# Altium PCB power-v3.6.PcbDoc (part 1 of 3) (continued)
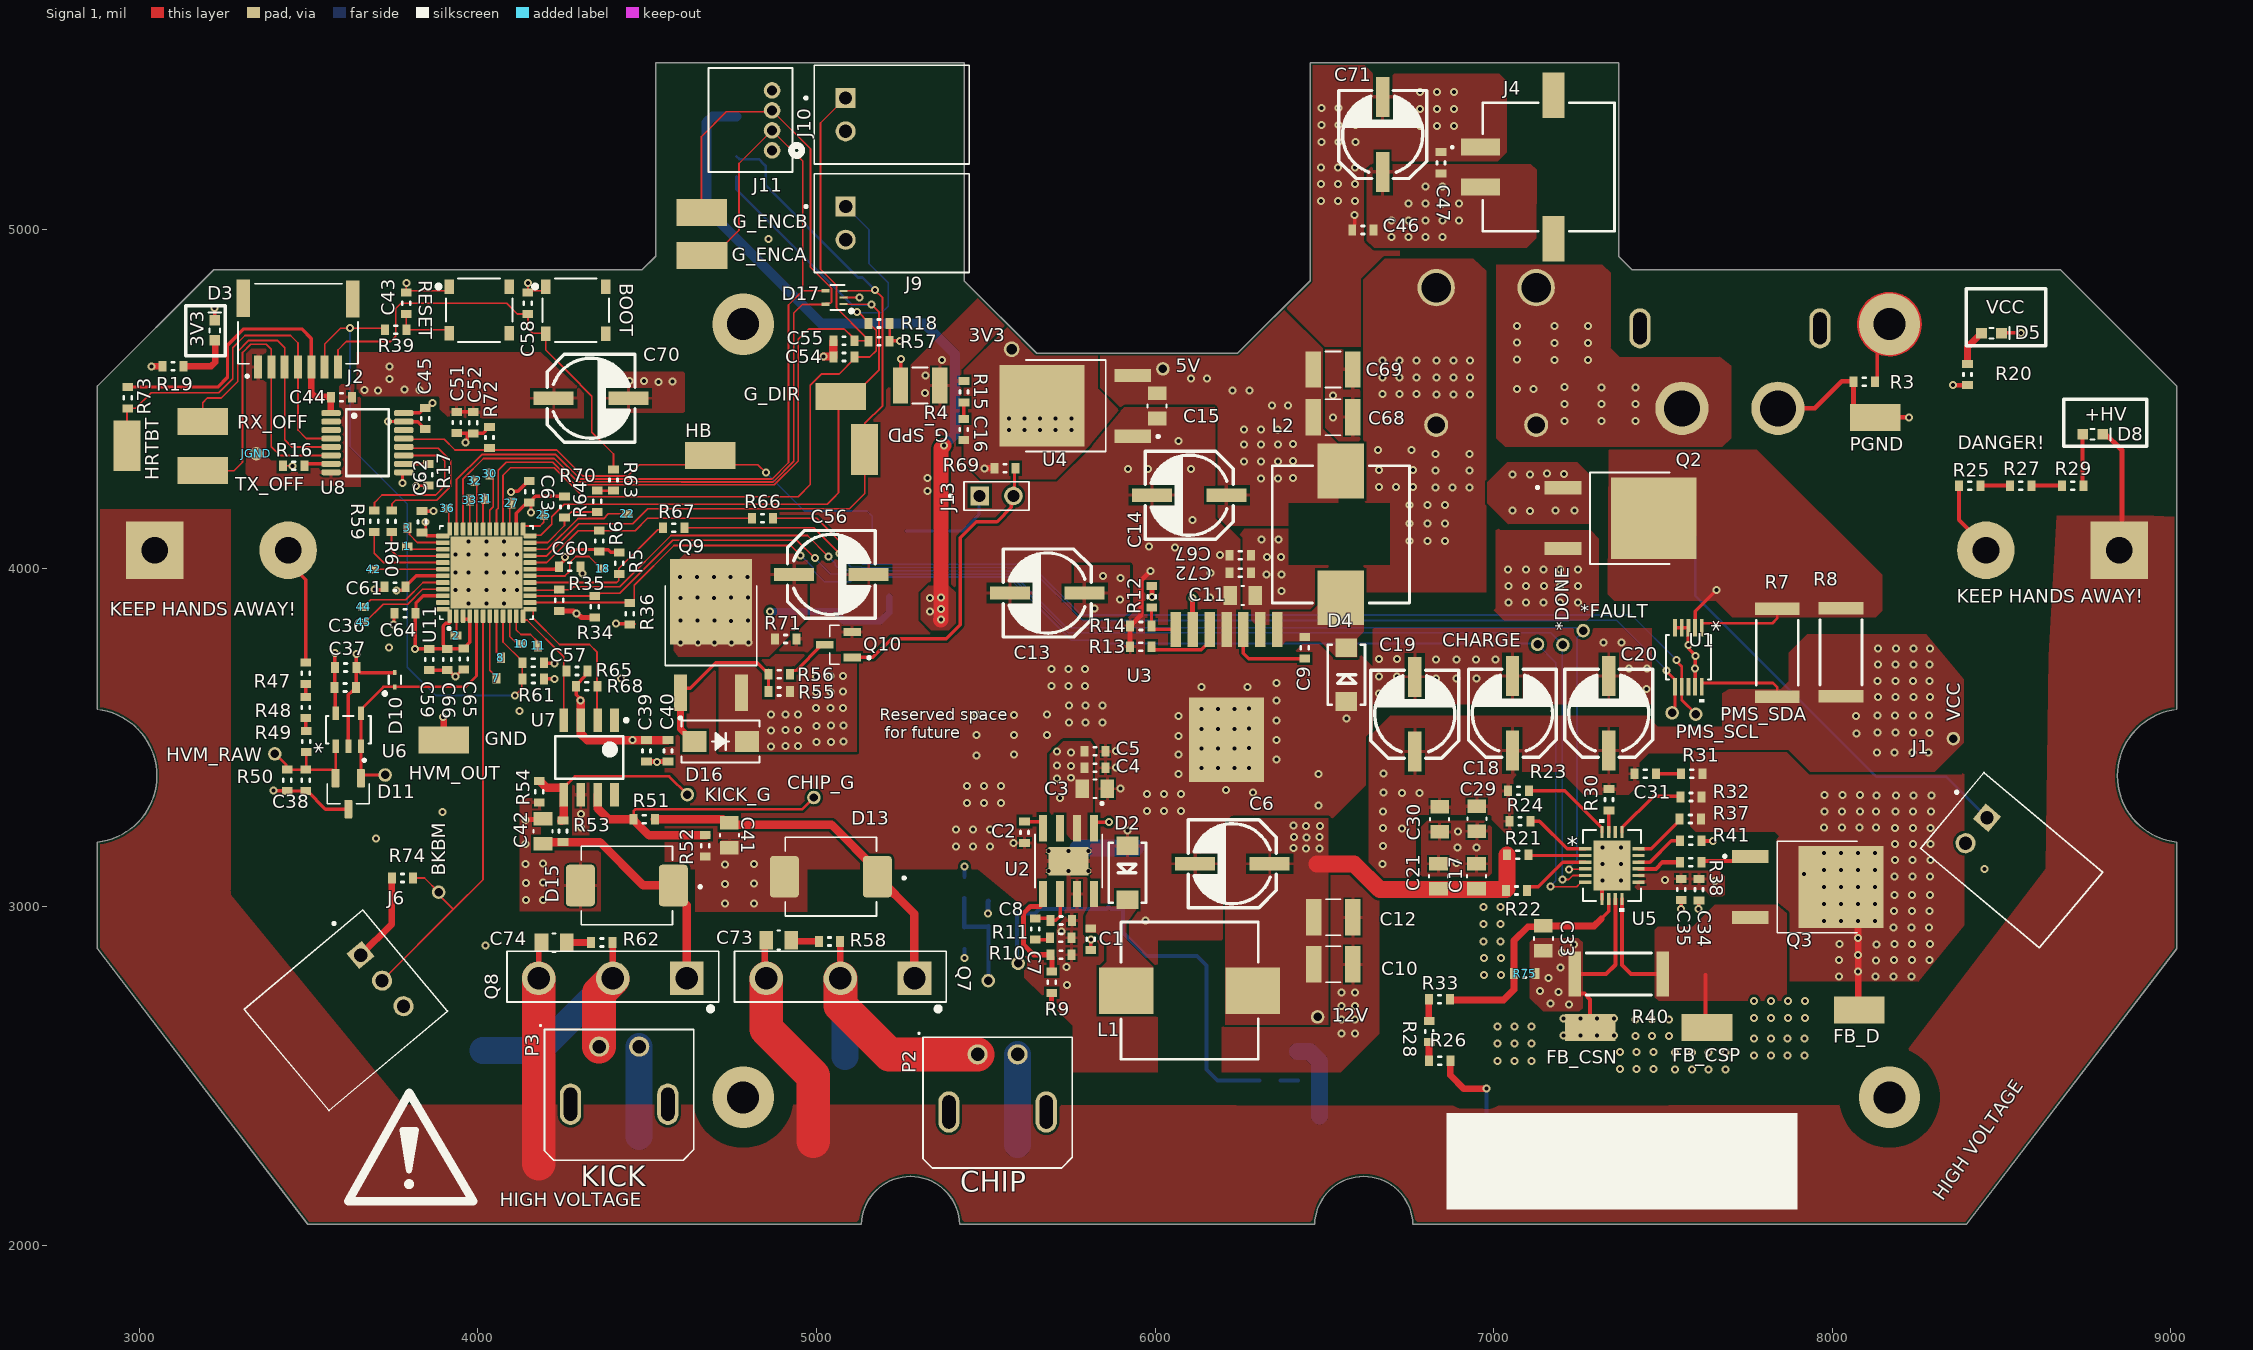
[diagram p0: Signal 1 view]
## Design rules (kind name [scope] priority, off if disabled: settings) (continued)
PolygonConnect VBAT_1 [All vs IsNamedPolygon('+VBAT_L04_P067') Or IsNamedPolygon('NETF1_1_L04_P068')] p21: connectstyle=Direct reliefconductorwidth=10 reliefentries=4 polygonreliefangle="90 Angle" airgapwidth=10
PolygonConnect "3V3 Reg" [All vs IsNamedPolygon('NETC15_1_L01_P064') Or IsNamedPolygon('PGND_L01_P065') Or IsNamedPolygon('3V3_L01_P028') Or IsNamedPolygon('3V3_L01_P312')] p22: connectstyle=Direct reliefconductorwidth=10 reliefentries=4 polygonreliefangle="90 Angle" airgapwidth=10
PolygonConnect "5V Input" [All vs IsNamedPolygon('12V_L01_P059') Or IsNamedPolygon('PGND_L01_P060') Or IsNamedPolygon('NETL2_2_L01_P062') Or IsNamedPolygon('PGND_L01_P063')   or IsNamedPolygon('5V_L01_P298')             or IsNamedPolygon('5V_L01_P311')] p23: connectstyle=Direct reliefconductorwidth=10 reliefentries=4 polygonreliefangle="90 Angle" airgapwidth=10
PolygonConnect "PGND 12V after" [All vs IsNamedPolygon('PGND_L01_P056')] p24: thpad.connectstyle=Direct thpad.reliefconductorwidth=10 thpad.reliefentries=4 thpad.polygonreliefangle="90 Angle" thpad.airgapwidth=10 smdpad.connectstyle=Relief smdpad.reliefconductorwidth=10 smdpad.reliefentries=4 smdpad.polygonreliefangle="90 Angle" smdpad.airgapwidth=10 via.connectstyle=Direct via.reliefconductorwidth=10 via.reliefentries=4 via.polygonreliefangle="90 Angle" via.airgapwidth=10
PolygonConnect "12V Poly" [All vs IsNamedPolygon('12V_L01_P055') Or IsNamedPolygon('NETC1_1_L01_P057') Or IsNamedPolygon('12V_L01_P058')] p25: connectstyle=Direct reliefconductorwidth=10 reliefentries=4 polygonreliefangle="90 Angle" airgapwidth=10
PolygonConnect PolygonConnect_2 [All vs IsNamedPolygon('PGND_L01_P054')] p26: thpad.connectstyle=Direct thpad.reliefconductorwidth=10 thpad.reliefentries=4 thpad.polygonreliefangle="90 Angle" thpad.airgapwidth=10 smdpad.connectstyle=Relief smdpad.reliefconductorwidth=10 smdpad.reliefentries=4 smdpad.polygonreliefangle="90 Angle" smdpad.airgapwidth=10 via.connectstyle=Direct via.reliefconductorwidth=10 via.reliefentries=4 via.polygonreliefangle="90 Angle" via.airgapwidth=10
PolygonConnect 12V_regGND [All vs IsNamedPolygon('PGND_L01_P053') Or IsNamedPolygon('PGND_L01_P052')] p27: connectstyle=Direct reliefconductorwidth=10 reliefentries=4 polygonreliefangle="90 Angle" airgapwidth=10
PolygonConnect "12V Comp GND" [All vs IsNamedPolygon('PGND_L01_P051')] p28: thpad.connectstyle=Direct thpad.reliefconductorwidth=10 thpad.reliefentries=4 thpad.polygonreliefangle="90 Angle" thpad.airgapwidth=10 smdpad.connectstyle=Relief smdpad.reliefconductorwidth=10 smdpad.reliefentries=4 smdpad.polygonreliefangle="90 Angle" smdpad.airgapwidth=10 via.connectstyle=Direct via.reliefconductorwidth=10 via.reliefentries=4 via.polygonreliefangle="90 Angle" via.airgapwidth=10
PolygonConnect "VCC MOS CONN" [All vs IsNamedPolygon('VCC_L01_P049')] p29: connectstyle=Direct reliefconductorwidth=10 reliefentries=4 polygonreliefangle="90 Angle" airgapwidth=10
PolygonConnect "PGND 12V" [All vs IsNamedPolygon('PGND_L01_P048')                  or IsNamedPolygon('PGND_L01_P299')] p30: connectstyle=Direct reliefconductorwidth=10 reliefentries=4 polygonreliefangle="90 Angle" airgapwidth=10
PolygonConnect "VCC Conn n 12V" [All vs IsNamedPolygon('VCC_L01_P046')] p31: thpad.connectstyle=Direct thpad.reliefconductorwidth=10 thpad.reliefentries=4 thpad.polygonreliefangle="90 Angle" thpad.airgapwidth=10 smdpad.connectstyle=Relief smdpad.reliefconductorwidth=10 smdpad.reliefentries=4 smdpad.polygonreliefangle="90 Angle" smdpad.airgapwidth=10 via.connectstyle=Direct via.reliefconductorwidth=10 via.reliefentries=4 via.polygonreliefangle="90 Angle" via.airgapwidth=10
PolygonConnect "3V3 Full" [All vs IsNamedPolygon('3V3_L03_P027')] p32: thpad.connectstyle=Direct thpad.reliefconductorwidth=10 thpad.reliefentries=4 thpad.polygonreliefangle="90 Angle" thpad.airgapwidth=10 smdpad.connectstyle=Relief smdpad.reliefconductorwidth=10 smdpad.reliefentries=4 smdpad.polygonreliefangle="90 Angle" smdpad.airgapwidth=10 via.connectstyle=Direct via.reliefconductorwidth=10 via.reliefentries=4 via.polygonreliefangle="90 Angle" via.airgapwidth=10
PolygonConnect "VCC FULL" [All vs IsNamedPolygon('VCC_L03_P041')] p33: thpad.connectstyle=Direct thpad.reliefconductorwidth=10 thpad.reliefentries=4 thpad.polygonreliefangle="90 Angle" thpad.airgapwidth=10 smdpad.connectstyle=Relief smdpad.reliefconductorwidth=10 smdpad.reliefentries=4 smdpad.polygonreliefangle="90 Angle" smdpad.airgapwidth=10 via.connectstyle=Direct via.reliefconductorwidth=10 via.reliefentries=4 via.polygonreliefangle="90 Angle" via.airgapwidth=10
PolygonConnect "Power Input" [All vs IsNamedPolygon('NETD1_1_L01_P037') Or IsNamedPolygon('NETD1_2_L01_P034') Or IsNamedPolygon('VCC_L01_P042') Or IsNamedPolygon('VCC_RPP_L01_P038') Or IsNamedPolygon('NETD1_1_L04_P035') Or IsNamedPolygon('NETD1_2_L04_P033')] p34: connectstyle=Direct reliefconductorwidth=10 reliefentries=4 polygonreliefangle="90 Angle" airgapwidth=10
PolygonConnect "PGND FULL" [All vs IsNamedPolygon('PGND_L02_P004') or IsNamedPolygon('PGND_L01_PF1')] p35: connectstyle=Direct reliefconductorwidth=10 reliefentries=4 polygonreliefangle="90 Angle" airgapwidth=10
PolygonConnect "HV Bay" [All vs IsNamedPolygon('+HV_L03_P032')] p36: connectstyle=Direct reliefconductorwidth=10 reliefentries=4 polygonreliefangle="90 Angle" airgapwidth=10
PolygonConnect GND_Connect [All vs IsNamedPolygon('GND_L02_P005')      or IsNamedPolygon('GND_L01_P303')    or IsNamedPolygon('PGND_L01_P316')] p37: connectstyle=Direct reliefconductorwidth=10 reliefentries=4 polygonreliefangle="90 Angle" airgapwidth=10
PolygonConnect GND_CONN [All vs IsNamedPolygon('GND_L01_P025') Or IsNamedPolygon('GND_L04_P024')] p38: connectstyle=Direct reliefconductorwidth=10 reliefentries=4 polygonreliefangle="90 Angle" airgapwidth=10
PolygonConnect PolygonConnect_1 [All vs IsNamedPolygon('5V_L03_P022') Or IsNamedPolygon('5V_L04_P023')] p39: connectstyle=Direct reliefconductorwidth=10 reliefentries=4 polygonreliefangle="90 Angle" airgapwidth=10
PolygonConnect VCC_PGND_CONN [All vs IsNamedPolygon('VCC_MOTOR_L01_P018') Or IsNamedPolygon('PGND_L02_P021') Or IsNamedPolygon('PGND_L04_P020') Or IsNamedPolygon('VCC_MOTOR_L04_P019')] p40: connectstyle=Direct reliefconductorwidth=10 reliefentries=4 polygonreliefangle="90 Angle" airgapwidth=10
PolygonConnect BARREL_GND [All vs IsNamedPolygon('GND_L04_P013') Or IsNamedPolygon('GND_L02_P014') Or IsNamedPolygon('GND_L01_P016') Or IsNamedPolygon('GND_L04_P015')] p41: connectstyle=Direct reliefconductorwidth=10 reliefentries=4 polygonreliefangle="90 Angle" airgapwidth=10
PolygonConnect "5V Reg Plane" [All vs IsNamedPolygon('5V_L01_P008') Or IsNamedPolygon('5V_L03_P006') Or IsNamedPolygon('5V_L03_P010') Or IsNamedPolygon('5V_L01_P011')] p42: connectstyle=Direct reliefconductorwidth=10 reliefentries=4 polygonreliefangle="90 Angle" airgapwidth=10
PolygonConnect [All] p43: thpad.connectstyle=Relief thpad.reliefconductorwidth=10 thpad.reliefentries=4 thpad.polygonreliefangle="90 Angle" thpad.airgapwidth=5 smdpad.connectstyle=Relief smdpad.reliefconductorwidth=10 smdpad.reliefentries=4 smdpad.polygonreliefangle="90 Angle" smdpad.airgapwidth=5 via.connectstyle=Direct via.reliefconductorwidth=10 via.reliefentries=4 via.polygonreliefangle="90 Angle" via.airgapwidth=5
RoomDefinition U_power-input [InComponentClass('U_power-input')] p1: confinementstyle=ConfineIn formatcopy=TRUE lockcomponents=FALSE outline 9669.82,5473.98 9868.9,5274.9 9868.9,1637.1 2240.39,1637.1 1914.61,1962.88 1914.61,5908.35
RoomDefinition U_chicker [InComponentClass('U_chicker')] p2: confinementstyle=ConfineIn formatcopy=TRUE lockcomponents=FALSE outline 1711.13,1533.73 10688.92,1533.73 10688.92,5906.94 1711.13,5906.94
RoomDefinition U_geneva-interface [InComponentClass('U_geneva-interface')] p3: confinementstyle=ConfineIn formatcopy=TRUE lockcomponents=FALSE outline 4448.82,4212.6 5472.44,4212.6 5472.44,5708.66 4448.82,5708.66
RoomDefinition U_regulation [InComponentClass('U_regulation')] p4: confinementstyle=ConfineIn formatcopy=TRUE lockcomponents=FALSE outline 10602.64,1435.96 10728.76,1562.07 10728.76,5820.74 1745.77,5820.74 1658.46,5733.43 1687.57,5704.33 1687.57,1338.95
RoomDefinition U_Power-MCU-Breakout [InComponentClass('U_Power-MCU-Breakout')] p5: confinementstyle=ConfineIn formatcopy=TRUE lockcomponents=FALSE outline 2322.83,1882.74 7228.97,1882.74 7228.97,5590.55 2322.83,5590.55
RoomDefinition U_HV-Measurement [InComponentClass('U_HV-Measurement')] p6: confinementstyle=ConfineIn formatcopy=TRUE lockcomponents=FALSE outline 3307.09,3228.35 3858.27,3228.35 3858.27,3740.16 3307.09,3740.16
RoomDefinition U_flyback [InComponentClass('U_flyback')] p7: confinementstyle=ConfineIn formatcopy=TRUE lockcomponents=FALSE outline 2715.75,2138.98 9177.95,2138.98 9177.95,4580.71 2715.75,4580.71
RoomDefinition U_communication [InComponentClass('U_communication')] p8: confinementstyle=ConfineIn formatcopy=TRUE lockcomponents=FALSE outline 2900.79,3322.05 7371.26,3322.05 7371.26,5479.53 2900.79,5479.53
RoomDefinition U_breakbeam-interface [InComponentClass('U_breakbeam-interface')] p9: confinementstyle=ConfineIn formatcopy=TRUE lockcomponents=FALSE outline 2290.17,2322.83 9996.78,2322.83 9996.78,5878.98 2290.17,5878.98
RoomDefinition U_auto-discharge [InComponentClass('U_auto-discharge')] p10: confinementstyle=ConfineIn formatcopy=TRUE lockcomponents=FALSE outline 10180.14,1582 10335.39,1737.26 10335.39,5674.02 2317.7,5674.02 1896.3,5252.62 2095.91,5053.01 2095.91,1404.57
RoutingCorners [All] p1: cornerstyle=Round minsetback=100 maxsetback=100
RoutingVias [All] p1: holewidth=19.68 width=39.37 viastyle="Through Hole" minholewidth=7.87 minwidth=17.72 maxholewidth=39.37 maxwidth=78.74
SilkToSilkClearance [All] p1: silktosilkclearance=3.94
SilkToSolderMaskClearance [IsPad] p1: minsilkscreentomaskgap=3.94 clearancetoexposedcopper=TRUE
SolderMaskExpansion [All] p1: expansion=4 istentingtop=FALSE
Width [All] p1: maxlimit=200 minlimit=3.5 preferedwidth=15 minimp=50.000000 maximp=50.000000 favimp=50.000000
24 further rules are at their usual default settings.

## Classes and differential pairs
net class HighVoltage: +HV NetC73_1 NetC74_1 NetD7_IN NetD8_1 NetD12_2 NetD14_2 NetQ4_D NetR25_1 NetR26_1 NetR27_1 NetR28_1 NetR42_1 NetR47_1 NetR48_1
component class U_regulation: 3V3 5V 12V C1 C2 C3 C4 C5 C6 C7 C8 C9 C10 C11 C12 C13 C14 C15 C16 C67 C68 C69 C72 D2 D3 D4 D5 L1 L2 R9 R10 R11 R12 R13 R14 R15 R19 R20 U2 U3 U4
component class U_Power-MCU-Breakout: 1 2 3 7 8 10 11 18 22 25 27 30 31 32 33 36 42 44 45 BOOT C43 C57 C58 C59 C60 C61 C62 C63 C64 C65 C66 R39 R59 R60 R61 R63 R64 R70 RESET U11
component class U_power-input: D1 F1 GND J1 P1 PGND PMS_SCL PMS_SDA Q1 Q2 R1 R2 R3 R4 R5 R6 R7 R8 R66 R67 U1
component class U_HV-Measurement: C36 C37 C38 D10 D11 HVM_OUT HVM_RAW R47 R48 R49 R50 U6
component class U_geneva-interface: C54 C55 D17 G_DIR G_ENCA G_ENCB G_SPD J8 J9 J10 J11 R18 R57
component class U_flyback: *DONE *FAULT +HV C17 C18 C19 C20 C21 C22 C23 C24 C25 C26 C27 C28 C29 C30 C31 C32 C33 C34 C35 CHARGE D7 D8 FB_CSN FB_CSP FB_D Q3 R21 R22 R23 R24 R25 R26 R27 R28 R29 R30 R31 R32 R33 R34 R35 R36 R37 R38 R40 R41 R75 T1 U5 VCC
component class U_communication: C44 C45 C46 C47 C48 C49 C50 C51 C52 C53 C56 C70 C71 D16 HB HRTBT J2 J4 J5 J13 JGND Q9 Q10 R16 R17 R55 R56 R69 R71 R72 R73 RX_OFF TX_OFF U8 U9
component class U_chicker: C39 C40 C41 C42 C73 C74 CHIP_G D12 D13 D14 D15 KICK_G P2 P3 Q7 Q8 R51 R52 R53 R54 R58 R62 R65 R68 U7
component class U_breakbeam-interface: BKBM J6 R74
component class U_auto-discharge: AD_D AD_VCC D9 Q4 Q5 R42 R43 R44 R45 R46

## Components (designator, comment, footprint, x,y, rotation, side; value= is the part's Value field where it differs from the comment)
1 "Breakout Pin 0603" "BreakoutPin 0603" 3791.78,4064.53 r270 top
2 "Breakout Pin 0603" "BreakoutPin 0603" 3935.35,3801.38 r90 top
3 "Breakout Pin 0603" "BreakoutPin 0603" 3791.78,4120.3 r180 top
3V3 "Test Point (Via)" TP#1 5576.33,4647.42 r90 top
5V "Test Point (Via)" TP#2 6023.31,4589.19 r0 top
7 "Breakout Pin 0603" "BreakoutPin 0603" 4054.82,3674.95 r0 top
8 "Breakout Pin 0603" "BreakoutPin 0603" 4067.64,3735.76 r0 top
10 "Breakout Pin 0603" "BreakoutPin 0603" 4127.73,3776.91 r90 top
11 "Breakout Pin 0603" "BreakoutPin 0603" 4178.14,3770.69 r0 top
12V "Test Point (Via)" TP#2 6480,2675.07 r90 top
18 "Breakout Pin 0603" "BreakoutPin 0603" 4368.12,3998.89 r90 top
22 "Breakout Pin 0603" "BreakoutPin 0603" 4441.61,4160.99 r90 top
25 "Breakout Pin 0603" "BreakoutPin 0603" 4194.84,4158.94 r180 top
27 "Breakout Pin 0603" "BreakoutPin 0603" 4099.31,4192.9 r180 top
30 "Breakout Pin 0603" "BreakoutPin 0603" 4034.95,4278.66 r180 top
31 "Breakout Pin 0603" "BreakoutPin 0603" 4021.65,4205.06 r0 top
32 "Breakout Pin 0603" "BreakoutPin 0603" 3990.01,4258.58 r180 top
33 "Breakout Pin 0603" "BreakoutPin 0603" 3976.69,4201.8 r0 top
36 "Breakout Pin 0603" "BreakoutPin 0603" 3909.52,4177.3 r90 top
42 "Breakout Pin 0603" "BreakoutPin 0603" 3692.35,3996.94 r90 top
44 "Breakout Pin 0603" "BreakoutPin 0603" 3662.65,3886.51 r90 top
45 "Breakout Pin 0603" "BreakoutPin 0603" 3662.65,3840.29 r90 top
*DONE "Test Point (Via)" TP#2 7204.35,3774 r90 top
*FAULT "Test Point (Via)" TP#2 7264.41,3816.07 r90 top
+HV "Test Point - 5019" TP380X203 6101.74,2278.52 r180 bottom
AD_D "Test Point (Via)" TP#2 5595.3,2833.63 r180 bottom
AD_VCC "Test Point (Via)" TP#2 5507.31,2782.35 r180 bottom
BKBM "Test Point (Via)" TP#2 3884.08,3043.62 r180 top
BOOT "TL3315NF100Q" SW_TL3315NF100Q 4289,4762.4 r0 top
C1 "0.10uF 25V" 0603 5810.54,2904.17 r90 top value=0.10uF
C2 "10nF 50V" 0603 5614.38,3220.51 r270 top value=10nF
C3 "10uF" 0805 5822.38,3349.04 r0 top
C4 "0.10uF" 0603 5822.54,3411.13 r180 top
C5 "0.010uF" 0603 5822.54,3459.52 r180 top
C6 "100uF" "CAP POL ALU 6.3x5.8" 6229.07,3127.72 r0 top
C7 "10nF 50V" 0603 5646.35,2934.62 r90 top value=10nF
C8 "6.8pF" 0603 5722.86,2960.12 r180 top
C9 "10nF 50V" 0603 6441.66,3765.03 r90 top value=10nF
C10 "22uF" 1210 6526.24,2830.5 r180 top
C11 "10uF" 0805 6259.3,3919.79 r180 top
C12 "22uF" 1210 6526.42,2969.26 r180 top
C13 "100uF" "CAP POL ALU 6.3x5.8" 5682.26,3927.18 r0 top
C14 "100uF" "CAP POL ALU 6.3x5.8" 6101.6,4216.21 r0 top
C15 "10uF" 0805 6006.26,4479.59 r270 top
C16 "10uF" 0603 5435.37,4410.32 r270 top
C17 "10uF" 0805 6949.4,3090.44 r270 top
C18 "100uF 35V" "CAP POL ALU 6.3x5.8" 7055.59,3571.39 r270 top value=100uF
C19 "100uF 35V" "CAP POL ALU 6.3x5.8" 6767.32,3568.77 r270 top value=100uF
C20 "100uF 35V" "CAP POL ALU 6.3x5.8" 7340.12,3571.39 r270 top value=100uF
C21 "0.10uF" 0805 6837.1,3090.44 r270 top
C22 "1000uF 250V" "RADIAL, CAN - THRU 25.4mm" 3046.06,4053.54 r0 bottom locked
C23 "1000uF 250V" "RADIAL, CAN - THRU 25.4mm" 8847.64,4053.54 r180 bottom locked
C24 "10uF" 0805 6576.51,3380.32 r0 bottom
C25 "10uF" 0805 6576.51,3215.9 r0 bottom
C26 "10uF" 0805 6576.51,3133.69 r0 bottom
C27 "10uF" 0805 6576.51,3051.48 r0 bottom
C28 "10uF" 0805 6576.51,3298.11 r0 bottom
C29 "10uF" 0805 6950.63,3260.57 r90 top
C30 "0.10uF" 0805 6840.62,3258.7 r90 top
C31 "2.2uF" 0603 7447.39,3393.51 r180 top
C32 "0.10uF" 1210 7263.39,2453.36 r90 bottom
C33 "0.10uF 25V" 0805 7146.65,2906.96 r270 top value=0.10uF
C34 "10uF" 0603 7606.56,3051 r270 top
C35 "0.10uF" 0603 7553.89,3051.73 r90 top
C36 "1.0uF" 0603 3609.27,3707.13 r180 top
C37 "0.010uF" 0603 3608.09,3648.08 r0 top
C38 "0.010uF" 0603 3491.87,3374.05 r90 top
C39 "1.0uF" 0603 4497.82,3461.18 r270 top
C40 "0.10uF" 0603 4561.3,3461.27 r270 top
C41 "0.10uF 25V" 0805 4742.61,3211.48 r90 top value=0.10uF
C42 "0.10uF 25V" 0805 4192.12,3223.59 r270 top value=0.10uF
C43 "0.10uF" 0603 3788.47,4782.83 r270 top
C44 "0.10uF" 0603 3596.99,4505.68 r180 top
C45 "0.10uF" 0603 3844.62,4442.52 r90 top
C46 "0.10uF 25V" 0603 6613.88,4999.22 r0 top value=0.10uF
C47 "0.10uF 25V" 0603 6844.37,5197.64 r270 top value=0.10uF
C48 "0.10uF 25V" 0805 4571.87,4389.45 r225 bottom value=0.10uF
C49 "0.10uF 25V" 0603 4523.4,4440.1 r225 bottom value=0.10uF
C50 "0.10uF 25V" 0603 4617.61,4346.98 r225 bottom value=0.10uF
C51 "0.10uF 25V" 0603 3937.13,4430.96 r90 top value=0.10uF
C52 "0.10uF 25V" 0603 3986.33,4430.44 r90 top value=0.10uF
C53 "0.10uF 25V" 0603 5063.45,3904.13 r270 bottom value=0.10uF
C54 "0.10uF" 0603 5081.5,4624.17 r180 top
C55 "0.10uF" 0603 5081.5,4672.13 r180 top
C56 "100uF" "CAP POL ALU 6.3x5.8" 5043.35,3981.93 r180 top
C57 "0.10uF" 0603 4163.67,3720.86 r180 top
C58 "0.10uF" 0603 4147.74,4782.83 r270 top
C59 "4.7uF" 0603 3856.26,3730.83 r90 top
C60 "1.0uF" 0603 4271.66,4005.08 r180 top
C61 "1.0uF" 0603 3754.99,3946.14 r0 top
C62 "1.0uF" 0603 3835.08,4137.23 r270 top
C63 "1.0uF" 0603 4151.95,4226.11 r270 top
C64 "1.0uF" 0603 3784.6,3867.64 r0 top
C65 "1.0uF" 0603 3958.03,3732.34 r90 top
C66 "1.0uF" 0603 3909.65,3730.83 r90 top
C67 "0.010uF" 0603 6251.46,4038.37 r0 top
C68 "22uF" 1210 6525.42,4446.55 r180 top
C69 "22uF" 1210 6525.43,4587.04 r180 top
C70 "100uF" "CAP POL ALU 6.3x5.8" 4333.41,4502.4 r180 top
C71 "100uF" "CAP POL ALU 6.3x5.8" 6672.29,5280.65 r270 top
C72 "0.10uF" 0603 6251.95,3987.4 r0 top
C73 "1500pF" 0805 4888.46,2901.91 r180 top
C74 "1500pF" 0805 4224.86,2894.21 r180 top
CHARGE "Test Point (Via)" TP#2 7129.6,3775.58 r90 top
CHIP_G "Test Point (Via)" TP#2 4992.43,3323.21 r90 top
D1 "SMAZ12-13-F" SMA_DIO-L 7403.18,4130.71 r90 bottom
D2 "40V 5A" DO-214AC 5918.07,3101.02 r270 top
D3 "0603 2V" "0603 - LED" 3222.78,4702.99 r90 top
D4 "40V 5A" DO-214AC 6564.69,3686.07 r90 top
D5 "0603 2V" "0603 - LED" 8470.36,4694.62 r0 top
D7 "VS-5EWH06FN-M3" "DPAK (TO-252)" 6946.43,2321.58 r90 bottom
D8 "0603 2V" "0603 - LED2" 8769.17,4395.94 r0 top
D9 "3SMBJ5929B-TP" DO-214AA 5757.47,3088.82 r90 bottom
D10 "NZ9F3V3T5G" SOD-923_0P6X0P85_ONS 3754.72,3649.95 r90 top
D11 "SM3.3H-TP" SOT-23A-3 3654.63,3380.31 r270 top
D12 "MUR860J" DO-214AB-DIODES 5085.26,2297.07 r90 bottom
D13 "SMCJ14A" DIOM7959X262N 5042.37,3089.29 r180 top
D14 "MUR860J" DO-214AB-DIODES 4014.06,2315.97 r90 bottom
D15 "SMCJ14A" DIOM7959X262N 4439.89,3063.36 r180 top
D16 "SMAZ12-13-F" SMA_DIO-L 4717.04,3488.8 r180 top
D17 "df5a5.6cje" ESV_TOS-L 5053.05,4799.85 r180 top
F1 "3557-2" FUSE-3549-2 6978.09,4829.02 r0 bottom
FB_CSN "Test Point - 5019" TP380X203 7284.93,2643.97 r180 top
FB_CSP "Test Point - 5019" TP380X203 7630.08,2643.97 r180 top
FB_D "Test Point - 5019" TP380X203 8079.76,2696.01 r0 top
G_DIR "Test Point - 5019" TP380X203 5071.76,4507.8 r0 top
G_ENCA "Test Point - 5019" TP380X203 4661.94,4924.42 r0 top
G_ENCB "Test Point - 5019" TP380X203 4660.66,5050.41 r0 top
G_SPD "Test Point - 5019" TP380X203 5142.12,4350.89 r90 top
GND "Test Point - 5019" TP380X203 3899.45,3493.39 r0 top
HB "Test Point - 5019" TP380X203 4686.19,4333.36 r0 top
HRTBT "Test Point - 5019" TP380X203 2963.85,4362.28 r90 top
HVM_OUT "Test Point (Via)" TP#2 3725.96,3389.72 r0 top
HVM_RAW "Test Point (Via)" TP#2 3400.19,3451.97 r0 top
J1 "CN HDR 2POS JST XH RA" JST_S2B-XH-A(LF)(SN) 8441.29,3212.49 r230 top
J2 "SM07B-NSHSS-TB (LF)(SN)" JST_SM07B-NSHSS-TB_(LF)(SN) 3350.45,4594.6 r0 top
J4 "0436500214" 43650-0214 7357.14,5185.63 r90 top
J5 "430451010" CON_430451010_MOL 3916.69,4811.15 r0 bottom
J6 "S3B-XH-A" JST_S3B-XH-A 3716.98,2782.18 r310 top
J8 "S5B-ZR-SM4A-TF (LF) (SN)" JST_S5B-ZR-SM4A-TF 4764.01,5393.77 r270 bottom
J9 "CN HDR 2POS JST XH RA" JST_S2B-XH-A(LF)(SN) 5106.9,5019.64 r270 top
J10 "CN HDR 2POS JST XH RA" JST_S2B-XH-A(LF)(SN) 5106.57,5339.89 r270 top
J11 "S4B-ZR(LF)(SN)" "CN S4B-ZR(LF)(SN)_JST" 4868.73,5234.29 r270 top
J13 "5-146252-1" TE_5-146252-1 5531.81,4213.87 r90 top
JGND "Testpoint" TP_1mm 3345.64,4338.39 r270 top
KICK_G "Test Point (Via)" TP#2 4618.58,3331.92 r90 top
L1 "22uH" L-SMD-1040 6101.93,2752.86 r0 top
L2 "10uH" L-SMD-1040 6548.87,4100.29 r90 top
P1 "XT60" Amass_XT60PW-M 7697.98,4472.61 r180 bottom value=N/A
P2 "4365002" 43650-02 5534.92,2394.39 r0 top value=N/A
P3 "4365002" 43650-02 4417.3,2417.41 r0 top value=N/A
PGND "Test Point - 5019" TP380X203 8127.41,4445.85 r180 top
PMS_SCL "Test Point (Via)" TP#2 7527.03,3573.23 r90 top
PMS_SDA "Test Point (Via)" TP#2 7597.05,3569.25 r90 top
Q1 "IPD85P04P4-07" "DPAK (TO-252)" 6922.62,4131.01 r270 bottom
Q2 "IPD85P04P4-07" "DPAK (TO-252)" 7369.84,4148.07 r270 top
Q3 "IXFY36N20X3" "DPAK (TO-252)" 7922.91,3058.74 r270 top
Q4 "STD11N60DM2" "DPAK (TO-252)" 6070.82,3087.43 r90 bottom
Q5 "TN2130K1-G" SOT95P237X112-3N 5548.29,2980.49 r0 bottom
Q7 "FGY75N60SMD" "TO-247-3 - FaceDown" 5289.42,2789.02 r180 top locked
Q8 "FGY75N60SMD" "TO-247-3 - FaceDown" 4617.33,2789.21 r180 top locked
Q9 "IPD85P04P4-07" "DPAK (TO-252)" 4688.24,3798.04 r0 top
Q10 "TN2130K1-G" SOT95P237X112-3N 5064.85,3774.53 r180 top
R1 "100k" 0603 7559.6,4211.86 r270 bottom
R2 "100k" 0603 7559.6,4096.21 r90 bottom
R3 "5.1M" 0603 8094.12,4551.54 r0 top
R4 "JUMPER" 1210 5306.25,4540 r0 top value=0
R5 "4.7k" 0603 4417.02,4014.72 r90 top
R6 "4.7k" 0603 4358.89,4080.53 r270 top
R7 "2mOHM" 2512 7837.4,3750.73 r90 top
R8 "2mOHM" 2512 8025.74,3751.91 r90 top
R9 "14k" 0603 5695.01,2777.95 r270 top
R10 "1k" 0603 5722.16,2858.85 r180 top
R11 "75k" 0603 5721.89,2909.11 r0 top
R12 "470k" 0603 5990.66,3915.71 r270 top
R13 "75k" 0603 5958.04,3768.69 r180 top
R14 "100k" 0603 5958.13,3829.8 r180 top
R15 "1" 0603 5435.46,4521.44 r90 top
R16 "4.7k" 0603 3455.69,4302.79 r180 top
R17 "4.7k" 0603 3853.04,4276.29 r90 top
R18 "10k" 0603 5184.89,4723.12 r180 top
R19 "110" 0603 3099.43,4597.06 r180 top
R20 "1.96K" 0603 8399.58,4572.42 r270 top value=1.96k
R21 "174k" 0603 7071.33,3153.74 r180 top
R22 "255k" 0603 7067.42,3048.29 r180 top
R23 "330k" 0603 7073.53,3342.7 r180 top
R24 "495k" 0603 7077.61,3253.1 r180 top
R25 "100k" 0603 8406.1,4244.32 r180 top
R26 "100k" 0603 6840.57,2545.38 r0 top
R27 "100k" 0603 8556.42,4244.32 r180 top
R28 "100k" 0603 6809.65,2631.97 r270 top
R29 "100k" 0603 8710.46,4244.32 r180 top
R30 "25.5k" 0603 7340.91,3316.99 r270 top
R31 "100k" 0603 7585.09,3393.74 r0 top
R32 "11.5k" 0603 7582.67,3324.7 r180 top
R33 "100k" 0603 6840.01,2727 r180 top
R34 "100k" 0603 4345.12,3886.45 r90 top
R35 "100k" 0603 4240.09,3905.37 r90 top
R36 "10k" 0603 4448.92,3866.3 r90 top
R37 "25.5k" 0603 7580.94,3259.76 r180 top
R38 "JUMPER" 0603 7582.58,3132.04 r180 top value=0
R39 "JUMPER" 0603 3757.28,4704.69 r0 top value=0
R40 "7mOHM" 2512 7369.56,2801.73 r0 top
R41 "1.05k" 0603 7581.67,3195.51 r180 top
R42 "5.1M" 0603 6453.9,2487.26 r0 bottom
R43 "1k 50W" "D2PAK (TO-263)" 6119.17,2675.23 r270 bottom value=1.5k
R44 "5.1M" 0603 6339.56,2487.26 r0 bottom
R45 "270k" 0603 5436.51,3057.46 r90 bottom
R46 "100k" 0603 5436.51,2908.52 r90 bottom
R47 "330k" 0603 3491.91,3690.2 r90 top
R48 "330k" 0603 3491.91,3589.2 r90 top
R49 "330k" 0603 3493.18,3488.56 r90 top
R50 "13k" 0603 3436.54,3374.05 r270 top
R51 "110" 0603 4491.39,3259.44 r180 top
R52 "10k" 0603 4671.36,3181.09 r270 top
R53 "110" 0603 4251.19,3223.68 r90 top
R54 "10k" 0603 4181.35,3339.74 r270 top
R55 "47k" 0603 4889.94,3636.15 r180 top
R56 "100k" 0603 4889.94,3687.59 r0 top
R57 "10k" 0603 5184.89,4671.01 r180 top
R58 "2" 0603 5038.38,2898.09 r180 top
R59 "1k" 0603 3694.14,4138.7 r270 top
R60 "1k" 0603 3745.1,4138.7 r270 top
R61 "10k" 0603 4163.67,3673.05 r180 top
R62 "2" 0603 4365.86,2894.94 r180 top
R63 "JUMPER" 0603 4400.31,4260.77 r90 top value=0
R64 "JUMPER" 0603 4352.49,4197.77 r90 top value=0
R65 "4.7k" 0603 4292.89,3696.66 r0 top
R66 "200" 0603 4840.58,4147.95 r180 top
R67 "200" 0603 4578.91,4120.04 r180 top
R68 "1k" 0603 4321.52,3651.38 r180 top
R69 "4.7k" 0603 5556.65,4295.71 r180 top
R70 "10k" 0603 4255.68,4181.36 r90 top
R71 "47k" 0603 4909.17,3791.4 r0 top
R72 "4.7k" 0603 4034.49,4386.41 r90 top
R73 "4.7k" 0603 2965.87,4503.98 r270 top
R74 "4.7k" 0603 3777.39,3085.57 r0 top
R75 "1.54k" 0603 7091.55,2803.37 r180 top
RESET "TL3315NF100Q" SW_TL3315NF100Q 4003.7,4762.7 r0 top
RX_OFF "Test Point - 5019" TP380X203 3187.07,4433.55 r180 top
T1 "DA2034" DA2034 7337.99,3119.07 r0 bottom
TX_OFF "Test Point - 5019" TP380X203 3187.07,4288.45 r180 top
U1 "LTC4151IMS#PBF" MSOP-10_MS_LIT 7575.24,3737.53 r270 top
U2 "TPS54332DDA" 8-PowerSOIC 5744.67,3135.3 r270 top
U3 "LM22677TJE-5.0" TO127P1435X210-8N 6211,3485.82 r180 top
U4 "NCP1117DT33T5G" "DPAK (TO-252)" 5768.95,4480.12 r90 top
U5 "LT3751IUFD#PBF" QFN-20_UFD_LIT-M 7349.41,3122.32 r0 top
U6 "MCP6231UT-E/OT" SOT-23-5_MC_MCH-L 3580.21,3474.55 r90 top
U7 "MCP14A0454T-E/SN" 8-SOIC 4328.66,3441.26 r270 top
U8 "SI8641BA-C-IU" SOP64P600X175-16N 3673.75,4371 r0 top
U9 "ADM706SARZ-REEL" SOIC127P600X175-8N 5189.91,4013.19 r90 bottom
U11 "ESP32-PICO-D4" "PQFN50P700X700X104-49N - BigPads" 4025.15,3987.51 r90 top locked
VCC "Test Point (Via)" TP#2 8357.68,3497.34 r90 top

## Footprints (in the part's own frame and the unit in brackets; to place one, negate y for a bottom-side part, rotate by r counter-clockwise, add the part's x,y. Pads: shape width x height; smd on the part's side, far side on the other; paste and mask are expansions set on the pad)
8-PowerSOIC [mm]
  rect 1.97x0.6 smd: 1(-2.475,1.905) 2(-2.475,0.635) 3(-2.475,-0.635) 4(-2.475,-1.905) 5(2.475,-1.905) 6(2.475,-0.635) 7(2.475,0.635) 8(2.475,1.905)
  rect 2.13x3 smd: 9(0,0)
  round 0.4 hole 0.3 mask+0.102: V1(-0.75,1.5) V2(0.75,1.5) V3(-0.75,0) V4(0.75,0) V5(-0.75,-1.5) V6(0.75,-1.5)
  silkscreen extent -4.42,-2.52 2,2.6, body extent -3.1,-2.49 3.1,2.49, height 1.68
8-SOIC [mm]
  rect 1.75x0.65 smd: 1(-2.8,1.905) 2(-2.8,0.635) 3(-2.8,-0.635) 4(-2.8,-1.905) 5(2.8,-1.905) 6(2.8,-0.635) 7(2.8,0.635) 8(2.8,1.905)
  silkscreen extent -2.92,-2.55 1.6,2.91, body extent -2,-2.55 2,2.55, height 1.7
0603 [mm] "Chip Resistor, 2-Leads, Body 1.60x0.80mm, IPC High Density"
  rect 0.6x0.8 smd mask+0.1: 1(-0.8,0) 2(0.8,0)
  silkscreen extent -0.1,-0.3 0.1,0.3, body extent -0.8,-0.4 0.8,0.4, height 0.6
"0603 - LED" [mm]
  rect 0.8x0.8 smd: 1(-0.75,0) 2(0.75,0)
  silkscreen extent -0.15,-0.45 1.35,0.45, body extent -0.8,-0.4 0.8,0.4, height 0.65
"0603 - LED2" [mm]
  rect 0.8x0.8 smd: 1(-0.75,0) 2(0.75,0)
  silkscreen extent -0.15,-0.45 1.35,0.45, body extent -0.8,-0.4 0.8,0.4, height 0.65
0805 [mil]
  rect 40x55 smd: 1(-37,0) 2(37,0)
  silkscreen extent -4,-28 4,28, body extent -47,-28 47,28, height 24
1210 [mm]
  rect 1.16x2.72 smd: 1(-1.475,0) 2(1.475,0)
  silkscreen extent -0.57,-1.35 0.57,1.35
2512 [mm] "Chip Resistor, 2-Leads, Body 6.35x3.10mm, IPC Low Density"
  rect 0.95x3.35 smd: 1(-3.3,0) 2(3.3,0)
  silkscreen extent -2.45,-1.58 2.45,1.58, body extent -3.22,-1.63 3.22,1.63, height 0.6
43650-02 [mm] "Molex Microfit 2PIN RightAngle Thru"
  round 1.52 hole 1.02: 1(-1.5,4.32) 2(1.5,4.32)
  oval 1.6x3.1 hole 1 slot 2.49 at 90 deg: NC(-3.65,0) NC(3.65,0)
  silkscreen extent -5.96,-4.2 5.6,5.96, body extent -4.82,-4.55 4.82,5.35, height 2.7
43650-0214 [mm]
  rect 1.27x2.92 smd: 1(1.5,10.07) 2(-1.5,10.07)
  rect 3.43x1.65 smd: 3(-5.385,4.6) 4(5.385,4.6)
  silkscreen extent -4.82,0 4.82,12.24, body extent -6.83,0.05 6.83,10.79, height 5.68
Amass_XT60PW-M [mm] "Right angle XT60 Male Socket"
  round 4 hole 2.7: 1(-3.6,0) 2(3.6,0)
  rrect100% 1.6x3 hole 1 slot 2.4 at 90 deg: Un1(6.75,6) Un2(-6.75,6)
  silkscreen extent -7.76,-1.85 7.76,15.42, body extent -7.95,-1.95 7.95,16.3, height 8.4
"BreakoutPin 0603" [mm] "Exposed 0603 pad for IC breakouts"
  rect 0.6x0.8 smd mask+0.1: 1(0,0)
"CAP POL ALU 6.3x5.8" [mm]
  rect 3x1 smd: NEG(-2.818,-0.003) POS(2.782,-0.003)
  silkscreen extent -3.32,-3.3 3.28,3.3, body extent -3.5,-3.3 3.5,3.3, height 5.4
"CN S4B-ZR(LF)(SN)_JST" [mil]
  round 49 hole 29 mask+0: 1(0,0) 2(-59.06,0) 3(-118.11,0) 4(-177.17,0)
  silkscreen extent -243,-188 64,88, body extent -235,-181 60,55, height 146
CON_430451010_MOL [mm]
  rect 1.27x2.92 smd paste+0 mask+0.076: 1(6,5.115) 2(3,5.115) 3(0,5.115) 4(-3,5.115) 5(-6,5.115) 6(6,9.745) 7(3,9.745) 8(0,9.745) 9(-3,9.745) 10(-6,9.745)
  rect 3.43x1.65 smd paste+0 mask+0.076: S1(9.875,-0.355) S2(-9.895,-0.355)
  silkscreen extent -11.32,-4.95 12.59,10.45, body extent -11.32,-4.96 11.32,10.45, height 8.77
"D2PAK (TO-263)" [mm]
  rect 1.06x3.78 smd: 1(-2.54,-6.4) 2(2.54,-6.4)
  rect 6.39x8 smd paste-5 mask+0: 3(0,4.29)
  silkscreen extent -5.34,-7.05 5.32,-3.24, body extent -5.08,-7.62 5.08,7.62, height 4.83
DA2034 [mm]
  rect 3.7x1.27 smd: 1(-14.1,8.059) 2(-14.1,5.059) 3(-14.1,2.059) 4(-14.1,-0.941) 5(-14.1,-3.941) 6(-14.1,-6.941) 7(13.206,-6.941) 8(13.206,-3.941) 9(13.206,-0.941) 10(13.206,2.059) 11(13.206,5.059) 12(13.206,8.059)
  silkscreen extent -10.93,-9.73 10.07,10.85, body extent -14.82,-9.69 13.83,10.88, height 11.18
DIOM7959X262N [mm]
  rrect25% 2.18x3.12 smd: A(3.485,0) C(-3.485,0)
  silkscreen extent -5.6,-2.95 3.43,2.95, body extent -4.1,-3.13 3.95,3.13, height 2.94
DO-214AA [mm]
  rect 2.4x2.4 smd: A(2.2,0) C(-2.2,0)
  silkscreen extent -2.26,-1.91 2.26,1.91, body extent -2.77,-1.97 2.77,1.97, height 2.56
DO-214AB-DIODES [mil]
  rect 70x125.98 smd: 1(0,0) 2(260,0)
  silkscreen extent -70,-124 330,123, body extent -29,-124 288,122, height 110
DO-214AC [mm]
  rect 1.4x1.64 smd: A(-2.015,0) C(2.015,0)
  silkscreen extent -2.25,-1.4 2.25,1.4, body extent -2.36,-1.29 2.36,1.29, height 2.3
"DPAK (TO-252)" [mil]
  rect 38.58x107.87 smd: 1(-90,-165) 3(90,-165)
  rect 241.67x251.97 smd paste-157.48: 2(0,103)
  silkscreen extent -135,-244 135,150, body extent -128,-185 128,205, height 97
ESV_TOS-L [mil]
  rect 24x6 smd paste+0 mask+0: 1(-26.5,19.68) 2(-26.5,0) 3(-26.5,-19.69)
  rect 24x10 smd paste+0 mask+0: 4(26.5,-19.69) 5(26.5,19.68)
  silkscreen extent -55,-38 12,45, body extent -33,-33 33,33, height 24
FUSE-3549-2 [mm] "Keystone Miniblade FUSE_3549-2"
  round 2.8 hole 2.2: 1(-3.75,0) 4(3.75,0)
  round 1.8 hole 1.3: 2(-3.75,10.3) 3(3.75,10.3)
  silkscreen extent -9.2,-0.25 9.2,10.75, body extent -9.13,-0.02 8.9,10.45, height 5.84
JST_S2B-XH-A(LF)(SN) [mm]
  rect 1.508x1.508 hole 1: 1(-1.25,-0.525)
  round 1.508 hole 1: 2(1.25,-0.525)
  silkscreen extent -3.7,-3.6 3.7,8.75, body extent -3.72,-2.86 3.68,8.64, height 6.1
JST_S3B-XH-A [mm]
  rect 1.508x1.508 hole 1: 1(-2.5,0)
  round 1.508 hole 1: 2(0,0) 3(2.5,0)
  silkscreen extent -5.7,-9.31 4.9,2.29, body extent -4.95,-9.25 4.95,2.25, height 6.16
JST_S5B-ZR-SM4A-TF [mil]
  rect 28x118 smd paste+0: 1(0,0) 2(59.06,0) 3(118.11,0) 4(177.17,0) 5(236.22,0)
  rect 47x79 smd: 6(-49.21,153.62) 7(285.43,153.62)
  silkscreen extent -93,-41 330,233, body extent -88,-28 325,228, height 146
JST_SM07B-NSHSS-TB_(LF)(SN) [mm]
  rect 0.6x1.7 smd: 1(0,0) 2(1,0) 3(2,0) 4(3,0) 5(4,0) 6(5,0) 7(6,0)
  rect 1x2.8 smd: P1(-1.1,5.15) P2(7.1,5.1)
  silkscreen extent -1.5,-0.78 7.5,6.25, body extent -1.5,-0.5 7.5,6.3, height 4.51
L-SMD-1040 [mm]
  rect 4.1x3.5 smd paste+0 mask+0: 1(-4.75,0) 2(4.75,0)
  silkscreen extent -5.15,-5.15 5.15,5.15, body extent -6.9,-5.25 6.9,5.25, height 0.25
MSOP-10_MS_LIT [mil]
  rect 52.5x11 smd paste+0 mask+0: 1(-87.25,39.4) 2(-87.25,19.7) 3(-87.25,0) 4(-87.25,-19.7) 5(-87.25,-39.4) 6(87.25,-39.4) 7(87.25,-19.7) 8(87.25,0) 9(87.25,19.7) 10(87.25,39.4)
  silkscreen extent -66,-66 134,66, body extent -96,-59 96,59, height 40
"PQFN50P700X700X104-49N - BigPads" [mm]
  rrect25% 1x0.35 smd: 1(-3.265,2.75) 2(-3.265,2.25) 3(-3.265,1.75) 4(-3.265,1.25) 5(-3.265,0.75) 6(-3.265,0.25) 7(-3.265,-0.25) 8(-3.265,-0.75) 9(-3.265,-1.25) 10(-3.265,-1.75) 11(-3.265,-2.25) 12(-3.265,-2.75) 25(3.265,-2.75) 26(3.265,-2.25) 27(3.265,-1.75) 28(3.265,-1.25) 29(3.265,-0.75) 30(3.265,-0.25) 31(3.265,0.25) 32(3.265,0.75) 33(3.265,1.25) 34(3.265,1.75) 35(3.265,2.25) 36(3.265,2.75)
  rrect25% 0.35x1 smd: 13(-2.75,-3.265) 14(-2.25,-3.265) 15(-1.75,-3.265) 16(-1.25,-3.265) 17(-0.75,-3.265) 18(-0.25,-3.265) 19(0.25,-3.265) 20(0.75,-3.265) 21(1.25,-3.265) 22(1.75,-3.265) 23(2.25,-3.265) 24(2.75,-3.265) 37(2.75,3.265) 38(2.25,3.265) 39(1.75,3.265) 40(1.25,3.265) 41(0.75,3.265) 42(0.25,3.265) 43(-0.25,3.265) 44(-0.75,3.265) 45(-1.25,3.265) 46(-1.75,3.265) 47(-2.25,3.265) 48(-2.75,3.265)
  rect 5.4x5.4 smd paste-4: 49(0,0)
  silkscreen extent -4.3,-3.5 3.5,3.5, body extent -3.5,-3.5 3.5,3.5, height 1.04
QFN-20_UFD_LIT-M [mm]
  rect 0.906x0.249 smd paste+0 mask+0: 1(-2.003,1.25) 2(-2.003,0.75) 3(-2.003,0.25) 4(-2.003,-0.25) 5(-2.003,-0.75) 6(-2.003,-1.25) 11(2.003,-1.25) 12(2.003,-0.75) 13(2.003,-0.25) 14(2.003,0.25) 15(2.003,0.75) 16(2.003,1.25)
  rect 0.249x0.906 smd paste+0 mask+0: 7(-0.75,-2.503) 8(-0.25,-2.503) 9(0.25,-2.503) 10(0.75,-2.503) 17(0.75,2.503) 18(0.25,2.503) 19(-0.25,2.503) 20(-0.75,2.503)
  rect 2.75x3.75 smd paste-1.862 mask+0: 21(0,0)
  silkscreen extent -2.18,-3.46 2.18,3.46, body extent -2.05,-2.55 2.05,2.55, height 0.8
"RADIAL, CAN - THRU 25.4mm" [mil]
  rect 170x170 hole 78.74: NEG(0,0)
  round 170 hole 78.74: POS(393.7,0)
  silkscreen extent -315,-512 709,512, body extent -303,-500 697,500, height 1772
SMA_DIO-L [mil]
  rect 70.84x62.17 smd paste+0 mask+0: 1(-77.62,0) 2(77.62,0)
  silkscreen extent -115,-62 115,62, body extent -110,-57 110,57, height 93
SOD-923_0P6X0P85_ONS [mil]
  rect 15x10 smd paste+0 mask+0: 1(0,0) 2(42,0)
  silkscreen extent -25,-18 33,34, body extent 1,-14 42,13, height 9
SOIC127P600X175-8N [mil]
  rect 78x22 smd: 1(-97,75) 2(-97,25) 3(-97,-25) 4(-97,-75) 5(97,-75) 6(97,-25) 7(97,25) 8(97,75)
  silkscreen extent -54,-98 54,98, body extent -118,-96 118,96, height 69
SOP64P600X175-16N [mm] "SOP, 16-Leads, Body 4.90x3.91mm, Pitch 0.64mm, IPC Medium Density"
  rrect50% 1.45x0.435 smd mask+0.05: 1(-2.725,2.222) 2(-2.725,1.587) 3(-2.725,0.953) 4(-2.725,0.318) 5(-2.725,-0.318) 6(-2.725,-0.953) 7(-2.725,-1.587) 8(-2.725,-2.222) 9(2.725,-2.222) 10(2.725,-1.587) 11(2.725,-0.953) 12(2.725,-0.318) 13(2.725,0.318) 14(2.725,0.953) 15(2.725,1.587) 16(2.725,2.222)
  silkscreen extent -1.6,-2.5 1.6,2.5, body extent -2,-2.5 2,2.5, height 1.76
SOT95P237X112-3N [mm]
  rect 1.3x0.59 smd: 1(-1.025,0.95) 2(-1.025,-0.95) 3(1.025,0)
  silkscreen extent -2.39,-1.46 0.65,1.46, body extent -1.54,-1.5 1.29,1.5, height 1.2
SOT-23-5_MC_MCH-L [mil]
  rect 40x18 smd paste+0 mask+0: 1(0,0) 2(0,-37.4) 3(0,-74.8) 4(98,-74.8) 5(98,0)
  silkscreen extent 8,-103 90,29, body extent -14,-98 112,24, height 57
SOT-23A-3 [mm]
  rrect25% 1.38x0.6 smd: 1(0,0) 2(0,-1.9) 3(2.33,-0.95)
  silkscreen extent -1.43,-2.52 1.91,0.62, body extent -0.24,-2.45 2.59,0.55, height 1.2
SW_TL3315NF100Q [mil]
  rect 28x43 smd paste+0 mask+0: 1(-88.58,68.9) 2(88.58,68.9) 3(-88.58,-68.9) 4(88.58,-68.9)
  silkscreen extent -122,-94 98,94, body extent -94,-89 94,89, height 24
TE_5-146252-1 [mm]
  rect 1.398x1.398 hole 0.89: 1(0,1.27)
  round 1.398 hole 0.89: 2(0,-1.27)
  silkscreen extent -1.07,-2.44 1.07,3.54, body extent -1.27,-2.44 1.27,2.69, height 10.58
TO127P1435X210-8N [mil]
  rect 31x103 smd: 1(-150,-334) 2(-100,-334) 3(-50,-334) 4(0,-334) 5(50,-334) 6(100,-334) 7(150,-334)
  rect 220.08x250 smd: 8(0,-8.02)
  body extent -200,-356 200,196, height 79
"TO-247-3 - FaceDown" [mm]
  rect 2.52x2.52 hole 1.68: 1(0,0)
  round 2.52 hole 1.68: 2(5.56,0) 3(11.12,0)
  silkscreen extent -2.38,-2.04 13.5,2.44, body extent -2.39,-26.58 13.51,0.4, height 5.5
TP#1 [mm] "Test point (40mil Standard)"
  round 1.181 hole 0.8: 1(0,0)
TP#2 [mm] "Test point (40mil Standard)"
  round 1.016 hole 0.635: 1(0,0)
TP380X203 [mm]
  rect 3.8x2.03 smd: 1(0,0)
TP_1mm [mm]
  round 1 smd paste-2: 1(0,0)

## Part data
1 2 3 7 8 10 11 18 22 25 27 30 31 32 33 36 42 44 45: "0603 breakout pad", Part Number="Breakout Pin 0603"
+HV FB_CSN FB_CSP FB_D G_DIR G_ENCA G_ENCB G_SPD GND HB HRTBT PGND RX_OFF TX_OFF: "PC Test Point, Miniature Phosphor Bronze, Silver Plating Surface Mount Mounting Type", Package="2010 Keystone", MF="Keystone Electronics", MP=5019, Part Number="Test Point - 5019"
BOOT RESET: library part "SW PUSH TL3315", "Tactile Switch SPST-NO Top Actuated Surface Mount, 0.55mm Height", Mfr_Name=E-Switch, Supplier Part Number 1=EG4620CT-ND, Copyright="Copyright (C) 2022 Ultra Librarian. All rights reserved.", Digi-Key_Part_Number_1=EG4620TR-ND, Digi-Key_Part_Number_2=EG4620CT-ND, Digi-Key_Part_Number_3=EG4620DKR-ND, Manufacturer Part Number 1=TL3315NF100Q, Manufacturer_Part_Number=TL3315NF100Q, Part Number="SW PUSH TL3315", RefDes=RefDes, Supplier 1=Digi-key, Supplier URL 1=https://www.digikey.com/en/products/detail/e-switch/TL3315NF100Q/1870394, Type=DEV
C1 C33 C41 C42 C48: library part "CAP 0.10uF 25V", "CAP CER 0.10UF 25V X7R 0805", Operating Temperature="-55°C ~ 125°C", Rating=25V, Temperature Coefficient=X7R, Tolerance=10%, Part Number="CAP 0.10uF 25V"
C2 C7 C9: library part "CAP 10nF 50V", "CAP CER 10000PF 50V X7R 0603", Operating Temperature="-55°C ~ 125°C", Package=0805, Rating=50V, Temperature Coefficient=X7R, Tolerance=10%, Part Number="CAP 10nF 50V"
C3 C11 C15 C17 C24 C25 C26 C27 C28 C29: library part "CAP 10uF 35V", "CAP CER 10UF 35V X7R 0805", Manufacturer Part Number 1=GRM21BR6YA106KE43L, Operating Temperature="-55°C ~ 125°C", Package=0805, Rating=35V, Supplier Part Number 1=490-10514-1-ND, Temperature Coefficient=X5R, Tolerance=10%, Part Number="CAP 10uF 35V", Supplier 1=Digi-Key
C4 C72: library part "CAP 0.1uF 50V", "Default Symbol for Capacitors", Rating=50V, Temperature Coefficient=X7R, Tolerance=10%, Part Number="CAP 0.1uF 50V"
C5 C67: library part "CAP 0.010uF 50V", "Default Symbol for Capacitors", Rating=50V, Temperature Coefficient=X7R, Tolerance=10%, Part Number="CAP 0.010uF 50V"
C6 C13 C14 C56 C70 C71: library part "CAP POL 100uF 35V SMD", Operating Temperature="-40°C ~ 85°C", Package=RADIAL, Rating=35V, Temperature Coefficient=Unspecified, Tolerance=20%, ComponentLink1Description="Digikey Link", ComponentLink1URL=https://www.digikey.ca/product-detail/en/panasonic-electronic-components/ECA-1HM100I/P10425CT-ND/8603345, Dimensions="0.197\" Dia (5.00mm)", Part Number="CAP POL 100uF 35V SMD"